# KiCad board Oblique Palette 0.5.4 PCB Main.kicad_pcb (continued)
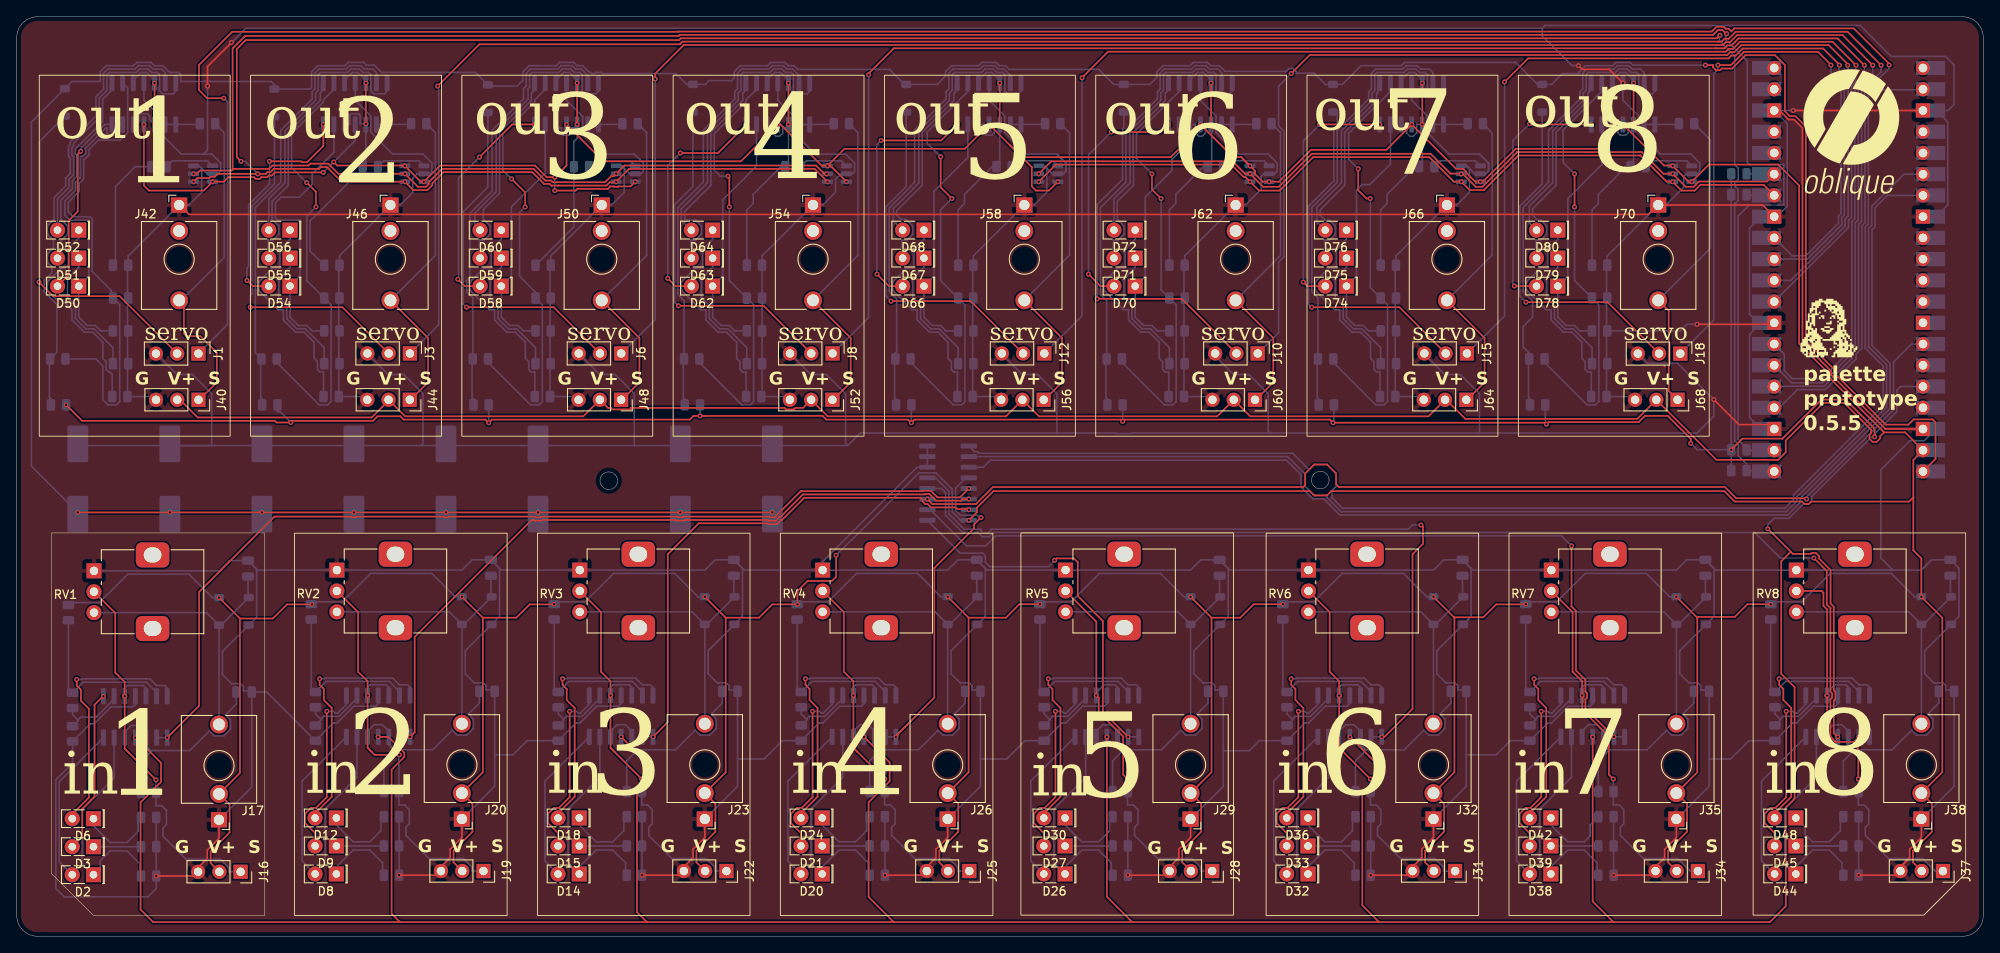
[diagram p0: board, top side]
## Library data of the parts
C1 C18-C24 = -: Description: Polarized capacitor, small symbol; ki_fp_filters: CP_*
C9-C16 = -: Description: Unpolarized capacitor; ki_fp_filters: C_*
D1 D53 D57 D61 D65 D69 D73 D77 = -: Description: 20V 1A Schottky Barrier Rectifier Diode, DO-41; ki_fp_filters: D*DO?41*
D2 D8 D14 D20 D26 D32 D38 D44 D50 D54 D58 D62 D66 D70 D74 D78 = -: Description: WHITE Rectangular LED, diffused; Sim.Pins: 1=K 2=A; ki_fp_filters: LED* LED_SMD:* LED_THT:*
D3 D9 D15 D21 D27 D33 D39 D45 D51 D55 D59 D63 D67 D71 D75 D79 = -: Description: YELLOW Rectangular LED, diffused; Sim.Pins: 1=K 2=A; ki_fp_filters: LED* LED_SMD:* LED_THT:*
D4 D5 D10 D11 D16 D17 D22 D23 D28 D29 D34 D35 D40 D41 D46 D47 = -: Description: Diode; Sim.Device: D; Sim.Pins: 1=K 2=A; ki_fp_filters: TO-???* *_Diode_* *SingleDiode* D_*
D6 D12 D18 D24 D30 D36 D42 D48 D52 D56 D60 D64 D68 D72 D76 D80 = -: Description: RED Rectangular LED, diffused; Sim.Pins: 1=K 2=A; ki_fp_filters: LED* LED_SMD:* LED_THT:*
J1 J3 J6 J8 J10 J12 J15 J16 J18 J19 J22 J25 J28 J31 J34 J37 J40 J44 J48 J52 J56 J60 J64 J68 = -: Description: Generic connector, single row, 01x03, script generated; ki_fp_filters: Connector*:*_1x??_*
J17 J20 J23 J26 J29 J32 J35 J38 J42 J46 J50 J54 J58 J62 J66 J70 = -: Description: Audio Jack, 2 Poles (Mono / TS), Switched T Pole (Normalling); ki_fp_filters: Jack*
R1-R48 R51-R56 R59-R64 R68-R75 R79-R86 R90-R97 R101-R108 R112-R119 R123-R130 R134-R141 R145-R168 = -: Description: Resistor; ki_fp_filters: R_*
RV1-RV8 = -: Description: Potentiometer with a mounting pin; ki_fp_filters: Potentiometer*
U1 = -: Datasheet: http://www.ti.com/lit/ds/symlink/cd4052b.pdf; Description: CMOS single 8-channel analog multiplexer demultiplexer, TSSOP-16/DIP-16/SOIC-16; LCSC PN: C21379; ki_fp_filters: TSSOP*4.4x5mm*P0.65mm* DIP*W7.62* SOIC*3.9x9.9mm*P1.27mm* SO*5.3x10.2mm*P1.27mm*
U3-U10 U14 U16 U18 U20 U22 U24 U26 = -: Datasheet: http://ww1.microchip.com/downloads/en/DeviceDoc/21733j.pdf; Description: 1MHz, Low-Power Op Amp, DIP-14/SOIC-14/TSSOP-14; LCSC PN: C116668; ki_fp_filters: SOIC*3.9x8.7mm*P1.27mm* DIP*W7.62mm* TSSOP*4.4x5mm*P0.65mm* SSOP*5.3x6.2mm*P0.65mm* MSOP*3x3mm*P0.5mm*
U11 U13 U19 U21 = -: Datasheet: http://ww1.microchip.com/downloads/en/DeviceDoc/22039d.pdf; Description: 12-bit Digital-to-Analog Converter, integrated EEPROM, I2C interface, SOT-23-6; LCSC PN: C144198; LCSC: C144198; ki_fp_filters: SOT?23*
U12 = -: Datasheet: http://ww1.microchip.com/downloads/en/DeviceDoc/21733j.pdf; Description: 1MHz, Low-Power Op Amp, DIP-14/SOIC-14/TSSOP-14; LCSC: C116668; ki_fp_filters: SOIC*3.9x8.7mm*P1.27mm* DIP*W7.62mm* TSSOP*4.4x5mm*P0.65mm* SSOP*5.3x6.2mm*P0.65mm* MSOP*3x3mm*P0.5mm*
U15 U17 U23 U25 = -: Datasheet: http://ww1.microchip.com/downloads/en/DeviceDoc/22039d.pdf; Description: 12-bit Digital-to-Analog Converter, integrated EEPROM, I2C interface, SOT-23-6; LCSC PN: C61423; LCSC: C144198; ki_fp_filters: SOT?23*

## Footprints (pads in the part's own frame, mm; a bottom-side part is the same pattern mirrored in y, then rotated)
C_0805_2012Metric
  rrect 1x1.45 smd: 1(-0.95,0) 2(0.95,0)
CP_Elec_10x10.5
  rrect 4.4x2.5 smd: 1(-4.2,0) 2(4.2,0)
D_SOD-123
  rrect 0.9x1.2 smd: 1(-1.65,0) 2(1.65,0)
Jack_3.5mm_QingPu_WQP-PJ398SM_Vertical_CircularHoles
  rect 1.93x1.83 hole 1.22: S(0,0)
  round 2.13 hole 1.43: T(0,-11.4)
  round 2.13 hole 1.42: TN(0,-3.1)
LED_Rectangular_W5.0mm_H2.0mm
  rect 1.8x1.8 hole 0.9: 1(0,0)
  round 1.8 hole 0.9: 2(2.54,0)
PinHeader_1x03_P2.54mm_Vertical
  rect 1.7x1.7 hole 1: 1(0,0)
  round 1.7 hole 1: 2(0,-2.54) 3(0,-5.08)
PinSocket_1x03_P2.54mm_Vertical
  rect 1.7x1.7 hole 1: 1(0,0)
  round 1.7 hole 1: 2(0,-2.54) 3(0,-5.08)
Potentiometer_Alps_RK09K_Single_Vertical
  rect 1.8x1.8 hole 1: 1(0,0)
  round 1.8 hole 1: 2(0,-2.5) 3(0,-5)
  rrect 4x3 hole 2.1x1.8: MP(7,1.9) MP(7,-6.9)
R_0805_2012Metric
  rrect 1.025x1.4 smd: 1(-0.912,0) 2(0.912,0)
RPi_Pico_SMD_TH
  oval 1.7x1.7 hole 1.02: 1(-8.89,24.13) 2(-8.89,21.59) 4(-8.89,16.51) 5(-8.89,13.97) 6(-8.89,11.43) 7(-8.89,8.89) 9(-8.89,3.81) 10(-8.89,1.27) 11(-8.89,-1.27) 12(-8.89,-3.81) 14(-8.89,-8.89) 15(-8.89,-11.43) 16(-8.89,-13.97) 17(-8.89,-16.51) 19(-8.89,-21.59) 20(-8.89,-24.13) 21(8.89,-24.13) 22(8.89,-21.59) 24(8.89,-16.51) 25(8.89,-13.97) 26(8.89,-11.43) 27(8.89,-8.89) 29(8.89,-3.81) 30(8.89,-1.27) 31(8.89,1.27) 32(8.89,3.81) 34(8.89,8.89) 35(8.89,11.43) 36(8.89,13.97) 37(8.89,16.51) 39(8.89,21.59) 40(8.89,24.13)
  rect 3.5x1.7 smd: 1(-8.89,24.13) 2(-8.89,21.59) 3(-8.89,19.05) 4(-8.89,16.51) 5(-8.89,13.97) 6(-8.89,11.43) 7(-8.89,8.89) 8(-8.89,6.35) 9(-8.89,3.81) 10(-8.89,1.27) 11(-8.89,-1.27) 12(-8.89,-3.81) 13(-8.89,-6.35) 14(-8.89,-8.89) 15(-8.89,-11.43) 16(-8.89,-13.97) 17(-8.89,-16.51) 18(-8.89,-19.05) 19(-8.89,-21.59) 20(-8.89,-24.13) 21(8.89,-24.13) 22(8.89,-21.59) 23(8.89,-19.05) 24(8.89,-16.51) 25(8.89,-13.97) 26(8.89,-11.43) 27(8.89,-8.89) 28(8.89,-6.35) 29(8.89,-3.81) 30(8.89,-1.27) 31(8.89,1.27) 32(8.89,3.81) 33(8.89,6.35) 34(8.89,8.89) 35(8.89,11.43) 36(8.89,13.97) 37(8.89,16.51) 38(8.89,19.05) 39(8.89,21.59) 40(8.89,24.13)
  rect 1.7x1.7 hole 1.02: 3(-8.89,19.05) 8(-8.89,6.35) 13(-8.89,-6.35) 18(-8.89,-19.05) 23(8.89,-19.05) 28(8.89,-6.35) 33(8.89,6.35) 38(8.89,19.05)
SOIC-14_3.9x8.7mm_P1.27mm
  rrect 1.95x0.6 smd: 1(-2.475,3.81) 2(-2.475,2.54) 3(-2.475,1.27) 4(-2.475,0) 5(-2.475,-1.27) 6(-2.475,-2.54) 7(-2.475,-3.81) 8(2.475,-3.81) 9(2.475,-2.54) 10(2.475,-1.27) 11(2.475,0) 12(2.475,1.27) 13(2.475,2.54) 14(2.475,3.81)
SOIC-16_3.9x9.9mm_P1.27mm
  rrect 1.95x0.6 smd: 1(-2.475,4.445) 2(-2.475,3.175) 3(-2.475,1.905) 4(-2.475,0.635) 5(-2.475,-0.635) 6(-2.475,-1.905) 7(-2.475,-3.175) 8(-2.475,-4.445) 9(2.475,-4.445) 10(2.475,-3.175) 11(2.475,-1.905) 12(2.475,-0.635) 13(2.475,0.635) 14(2.475,1.905) 15(2.475,3.175) 16(2.475,4.445)
SOT-23-6
  rrect 1.325x0.6 smd: 1(-1.137,0.95) 2(-1.137,0) 3(-1.137,-0.95) 4(1.137,-0.95) 5(1.137,0) 6(1.137,0.95)

## Nets
+3.3V: R1.2 R2.1 R9.1 R10.2 R71.1 R82.1 R93.1 R104.1 R115.1 R126.1 R137.1 R148.1 U2.36 U3.4 U4.4 U5.4 U6.4 U7.4 U8.4 U9.4 U10.4
GNDREF: C1.2 C9.2 C10.2 C11.2 C12.2 C13.2 C14.2 C15.2 C16.2 C18.2 C19.2 C20.2 C21.2 C22.2 C23.2 C24.2 D5.2 D11.2 D17.2 D23.2 D29.2 D35.2 D41.2 D47.2 J1.3 J3.3 J6.3 J8.3 J10.3 J12.3 J15.3 J16.3 J17.S J18.3 J19.3 J20.S J22.3 J23.S J25.3 J26.S J28.3 J29.S J31.3 J32.S J34.3 J35.S J37.3 J38.S J40.3 J42.S J44.3 J46.S J48.3 J50.S J52.3 J54.S J56.3 J58.S J60.3 J62.S J64.3 J66.S J68.3 J70.S R3.2 R4.1 R5.2 R7.2 R11.2 R12.1 R13.2 R15.2 R19.2 R20.1 R21.2 R23.2 R27.2 R28.1 R29.2 R31.2 R35.2 R36.1 R37.2 R39.2 R43.2 R44.1 R45.2 R47.2 R51.2 R52.1 R53.2 R55.2 R59.2 R60.1 R61.2 R63.2 R69.2 R73.2 R74.2 R75.2 R80.2 R84.2 R85.2 R86.2 R91.2 R95.2 R96.2 R97.2 R102.2 R106.2 R107.2 R108.2 R112.1 R113.2 R116.1 R117.2 R118.2 R119.2 R123.1 R124.2 R127.1 R128.2 R129.2 R130.2 R134.1 R135.2 R138.1 R139.2 R140.2 R141.2 R145.1 R146.2 R149.1 R150.2 R151.2 R152.2 R160.2 R161.2 R162.2 R163.2 R164.2 R165.2 R166.2 R167.2 RV1.1 RV2.1 RV3.1 RV4.1 RV5.1 RV6.1 RV7.1 RV8.1 U1.6 U1.7 U1.8 U2.3 U2.8 U2.13 U2.18 U2.23 U2.28 U2.38 U3.11 U4.11 U5.11 U6.11 U7.11 U8.11 U9.11 U10.11 U11.2 U11.6 U12.11 U13.2 U14.11 U15.2 U15.6 U16.11 U17.2 U18.11 U19.2 U19.6 U20.11 U21.2 U22.11 U23.2 U23.6 U24.11 U25.2 U26.11
VCC: D4.1 D10.1 D16.1 D22.1 D28.1 D34.1 D40.1 D46.1 J16.2 J17.TN J19.2 J20.TN J22.2 J23.TN J25.2 J26.TN J28.2 J29.TN J31.2 J32.TN J34.2 J35.TN J37.2 J38.TN J40.2 J44.2 J48.2 J52.2 J56.2 J60.2 J64.2 J68.2 R8.2 R16.2 R24.2 R32.2 R40.2 R48.2 R56.2 R64.2 U1.16 U2.39 U11.3 U12.4 U13.3 U13.6 U14.4 U15.3 U16.4 U17.3 U17.6 U18.4 U19.3 U20.4 U21.3 U21.6 U22.4 U23.3 U24.4 U25.3 U25.6 U26.4
/Input 1/ANALOG_CHANNEL: U1.13 U3.1 U3.2
/Input 2/ANALOG_CHANNEL: U1.14 U4.1 U4.2
/Input 3/ANALOG_CHANNEL: U1.15 U5.1 U5.2
/Input 4/ANALOG_CHANNEL: U1.12 U6.1 U6.2
/Input 5/ANALOG_CHANNEL: U1.1 U7.1 U7.2
/Input 6/ANALOG_CHANNEL: U1.5 U8.1 U8.2
/Input 7/ANALOG_CHANNEL: U1.2 U9.1 U9.2
/Input 8/ANALOG_CHANNEL: U1.4 U10.1 U10.2
SCL_0: R10.1 U2.2 U11.5 U13.5 U15.5 U17.5
SCL_1: R1.1 U2.15 U19.5 U21.5 U23.5 U25.5
SDA_0: R9.2 U2.1 U11.4 U13.4 U15.4 U17.4
SDA_1: R2.2 U2.14 U19.4 U21.4 U23.4 U25.4
SERVO_1: J1.1 U2.4
SERVO_2: J3.1 U2.5
SERVO_3: J6.1 U2.6
SERVO_4: J8.1 U2.7
SERVO_5: J12.1 U2.9
SERVO_6: J10.1 U2.10
SERVO_7: J15.1 U2.11
SERVO_8: J18.1 U2.12
Vser: C1.1 C18.1 C19.1 C20.1 C21.1 C22.1 C23.1 C24.1 D1.2 D53.2 D57.2 D61.2 D65.2 D69.2 D73.2 D77.2 U2.40
Net-(D1-K): D1.1 J1.2
Net-(D2-A): D2.2 U3.7
Net-(D2-K): D2.1 R3.1 U3.6
Net-(D3-A): D3.2 U3.8
Net-(D3-K): D3.1 R5.1
Net-(D4-A): C9.1 D4.2 D5.1 J17.T RV1.3
Net-(D6-A): D6.2 U3.14
Net-(D6-K): D6.1 R7.1
Net-(D8-A): D8.2 U4.7
Net-(D8-K): D8.1 R11.1 U4.6
Net-(D9-A): D9.2 U4.8
Net-(D9-K): D9.1 R13.1
Net-(D10-A): C10.1 D10.2 D11.1 J20.T RV2.3
Net-(D12-A): D12.2 U4.14
Net-(D12-K): D12.1 R15.1
Net-(D14-A): D14.2 U5.7
Net-(D14-K): D14.1 R19.1 U5.6
Net-(D15-A): D15.2 U5.8
Net-(D15-K): D15.1 R21.1
Net-(D16-A): C11.1 D16.2 D17.1 J23.T RV3.3
Net-(D18-A): D18.2 U5.14
Net-(D18-K): D18.1 R23.1
Net-(D20-A): D20.2 U6.7
Net-(D20-K): D20.1 R27.1 U6.6
Net-(D21-A): D21.2 U6.8
Net-(D21-K): D21.1 R29.1
Net-(D22-A): C12.1 D22.2 D23.1 J26.T RV4.3
Net-(D24-A): D24.2 U6.14
Net-(D24-K): D24.1 R31.1
Net-(D26-A): D26.2 U7.7
Net-(D26-K): D26.1 R35.1 U7.6
Net-(D27-A): D27.2 U7.8
Net-(D27-K): D27.1 R37.1
Net-(D28-A): C13.1 D28.2 D29.1 J29.T RV5.3
Net-(D30-A): D30.2 U7.14
Net-(D30-K): D30.1 R39.1
Net-(D32-A): D32.2 U8.7
Net-(D32-K): D32.1 R43.1 U8.6
Net-(D33-A): D33.2 U8.8
Net-(D33-K): D33.1 R45.1
Net-(D34-A): C14.1 D34.2 D35.1 J32.T RV6.3
Net-(D36-A): D36.2 U8.14
Net-(D36-K): D36.1 R47.1
Net-(D38-A): D38.2 U9.7
Net-(D38-K): D38.1 R51.1 U9.6
Net-(D39-A): D39.2 U9.8
Net-(D39-K): D39.1 R53.1
Net-(D40-A): C15.1 D40.2 D41.1 J35.T RV7.3
Net-(D42-A): D42.2 U9.14
Net-(D42-K): D42.1 R55.1
Net-(D44-A): D44.2 U10.7
Net-(D44-K): D44.1 R59.1 U10.6
Net-(D45-A): D45.2 U10.8
Net-(D45-K): D45.1 R61.1
Net-(D46-A): C16.1 D46.2 D47.1 J38.T RV8.3
Net-(D48-A): D48.2 U10.14
Net-(D48-K): D48.1 R63.1
Net-(D50-A): D50.2 U12.7
Net-(D50-K): D50.1 R73.1 U12.6
Net-(D51-A): D51.2 U12.8
Net-(D51-K): D51.1 R74.1
Net-(D52-A): D52.2 U12.14
Net-(D52-K): D52.1 R75.1
Net-(D53-K): D53.1 J3.2
Net-(D54-A): D54.2 U14.7
Net-(D54-K): D54.1 R84.1 U14.6
Net-(D55-A): D55.2 U14.8
Net-(D55-K): D55.1 R85.1
Net-(D56-A): D56.2 U14.14
Net-(D56-K): D56.1 R86.1
Net-(D57-K): D57.1 J6.2
Net-(D58-A): D58.2 U16.7
Net-(D58-K): D58.1 R95.1 U16.6
Net-(D59-A): D59.2 U16.8
Net-(D59-K): D59.1 R96.1
Net-(D60-A): D60.2 U16.14
Net-(D60-K): D60.1 R97.1
Net-(D61-K): D61.1 J8.2
Net-(D62-A): D62.2 U18.7
Net-(D62-K): D62.1 R106.1 U18.6
Net-(D63-A): D63.2 U18.8
Net-(D63-K): D63.1 R107.1
Net-(D64-A): D64.2 U18.14
Net-(D64-K): D64.1 R108.1
Net-(D65-K): D65.1 J10.2
Net-(D66-A): D66.2 U20.7
Net-(D66-K): D66.1 R117.1 U20.6
Net-(D67-A): D67.2 U20.8
Net-(D67-K): D67.1 R118.1
Net-(D68-A): D68.2 U20.14
Net-(D68-K): D68.1 R119.1
Net-(D69-K): D69.1 J12.2
Net-(D70-A): D70.2 U22.7
Net-(D70-K): D70.1 R128.1 U22.6
Net-(D71-A): D71.2 U22.8
Net-(D71-K): D71.1 R129.1
Net-(D72-A): D72.2 U22.14
Net-(D72-K): D72.1 R130.1
Net-(D73-K): D73.1 J15.2
Net-(D74-A): D74.2 U24.7
Net-(D74-K): D74.1 R139.1 U24.6
Net-(D75-A): D75.2 U24.8
Net-(D75-K): D75.1 R140.1
Net-(D76-A): D76.2 U24.14
Net-(D76-K): D76.1 R141.1
Net-(D77-K): D77.1 J18.2
Net-(D78-A): D78.2 U26.7
Net-(D78-K): D78.1 R150.1 U26.6
Net-(D79-A): D79.2 U26.8
Net-(D79-K): D79.1 R151.1
Net-(D80-A): D80.2 U26.14
Net-(D80-K): D80.1 R152.1
Net-(J16-Pin_1): J16.1 R68.1 RV1.2 U3.10 U3.12
Net-(J19-Pin_1): J19.1 R72.1 RV2.2 U4.10 U4.12
Net-(J22-Pin_1): J22.1 R79.1 RV3.2 U5.10 U5.12
Net-(J25-Pin_1): J25.1 R83.1 RV4.2 U6.10 U6.12
Net-(J28-Pin_1): J28.1 R90.1 RV5.2 U7.10 U7.12
Net-(J31-Pin_1): J31.1 R94.1 RV6.2 U8.10 U8.12
Net-(J34-Pin_1): J34.1 R101.1 RV7.2 U9.10 U9.12
Net-(J37-Pin_1): J37.1 R105.1 RV8.2 U10.10 U10.12
Net-(J40-Pin_1): J40.1 J42.T R17.1
Net-(J44-Pin_1): J44.1 J46.T R18.1
Net-(J48-Pin_1): J48.1 J50.T R25.1
Net-(J52-Pin_1): J52.1 J54.T R26.1
Net-(J56-Pin_1): J56.1 J58.T R33.1
Net-(J60-Pin_1): J60.1 J62.T R34.1
Net-(J64-Pin_1): J64.1 J66.T R41.1
Net-(J68-Pin_1): J68.1 J70.T R42.1
Net-(U1-A): U1.11 U2.27
Net-(U1-B): U1.10 U2.26
Net-(U1-C): U1.9 U2.22
Net-(U1-X): U1.3 U2.34
Net-(U3A-+): R68.2 R160.1 U3.3 U3.5
Net-(U3C--): R4.2 R6.1 U3.9
Net-(U3D--): R6.2 R8.1 U3.13
Net-(U4A-+): R72.2 R161.1 U4.3 U4.5
Net-(U4C--): R12.2 R14.1 U4.9
Net-(U4D--): R14.2 R16.1 U4.13
Net-(U5A-+): R79.2 R162.1 U5.3 U5.5
Net-(U5C--): R20.2 R22.1 U5.9
Net-(U5D--): R22.2 R24.1 U5.13
Net-(U6A-+): R83.2 R163.1 U6.3 U6.5
Net-(U6C--): R28.2 R30.1 U6.9
Net-(U6D--): R30.2 R32.1 U6.13
Net-(U7A-+): R90.2 R164.1 U7.3 U7.5
Net-(U7C--): R36.2 R38.1 U7.9
Net-(U7D--): R38.2 R40.1 U7.13
Net-(U8A-+): R94.2 R165.1 U8.3 U8.5
Net-(U8C--): R44.2 R46.1 U8.9
Net-(U8D--): R46.2 R48.1 U8.13
Net-(U9A-+): R101.2 R166.1 U9.3 U9.5
Net-(U9C--): R52.2 R54.1 U9.9
Net-(U9D--): R54.2 R56.1 U9.13
Net-(U10A-+): R105.2 R167.1 U10.3 U10.5
Net-(U10C--): R60.2 R62.1 U10.9
Net-(U10D--): R62.2 R64.1 U10.13
Net-(U11-VOUT): R153.2 U11.1
Net-(U12A-+): R112.2 R153.1 U12.3 U12.5 U12.10 U12.12
Net-(U12A--): R17.2 U12.1 U12.2
Net-(U12C--): R69.1 R70.2 U12.9
Net-(U12D--): R70.1 R71.2 U12.13
Net-(U13-VOUT): R154.2 U13.1
Net-(U14A-+): R116.2 R154.1 U14.3 U14.5 U14.10 U14.12
Net-(U14A--): R18.2 U14.1 U14.2
Net-(U14C--): R80.1 R81.2 U14.9
Net-(U14D--): R81.1 R82.2 U14.13
Net-(U15-VOUT): R155.2 U15.1
Net-(U16A-+): R123.2 R155.1 U16.3 U16.5 U16.10 U16.12
Net-(U16A--): R25.2 U16.1 U16.2
Net-(U16C--): R91.1 R92.2 U16.9
Net-(U16D--): R92.1 R93.2 U16.13
Net-(U17-VOUT): R156.2 U17.1
Net-(U18A-+): R127.2 R156.1 U18.3 U18.5 U18.10 U18.12
Net-(U18A--): R26.2 U18.1 U18.2
Net-(U18C--): R102.1 R103.2 U18.9
Net-(U18D--): R103.1 R104.2 U18.13
Net-(U19-VOUT): R157.2 U19.1
Net-(U20A-+): R134.2 R157.1 U20.3 U20.5 U20.10 U20.12
Net-(U20A--): R33.2 U20.1 U20.2
Net-(U20C--): R113.1 R114.2 U20.9
Net-(U20D--): R114.1 R115.2 U20.13
Net-(U21-VOUT): R158.2 U21.1
Net-(U22A-+): R138.2 R158.1 U22.3 U22.5 U22.10 U22.12
Net-(U22A--): R34.2 U22.1 U22.2
Net-(U22C--): R124.1 R125.2 U22.9
Net-(U22D--): R125.1 R126.2 U22.13
Net-(U23-VOUT): R159.2 U23.1
Net-(U24A-+): R145.2 R159.1 U24.3 U24.5 U24.10 U24.12
Net-(U24A--): R41.2 U24.1 U24.2
Net-(U24C--): R135.1 R136.2 U24.9
Net-(U24D--): R136.1 R137.2 U24.13
Net-(U25-VOUT): R168.2 U25.1
Net-(U26A-+): R149.2 R168.1 U26.3 U26.5 U26.10 U26.12
Net-(U26A--): R42.2 U26.1 U26.2
Net-(U26C--): R146.1 R147.2 U26.9
Net-(U26D--): R147.1 R148.2 U26.13

Pads without a net: J42 TN; J46 TN; J50 TN; J54 TN; J58 TN; J62 TN; J66 TN; J70 TN; RV1 MP; RV2 MP; RV3 MP; RV4 MP; RV5 MP; RV6 MP; RV7 MP; RV8 MP; U2 16 17 19 20 21 24 25 29 30 31 32 33 35 37

## Via types
v1: diameter 0.6, hole 0.3, Top to Bottom, 230 vias

## Routing (per net, layer and track width the routed paths; a pad name or vN(x,y) marks a point on that pad's centre or on a via; arc(x,y) is an arc through that point)
+3.3V: length 747.6
  Top w0.2: 75.3,1.7 74.12,2.88 74.12,17.39 75.29,18.56 75.29,20.79 v1(72.22,23.86) ; 75.3,1.7 104.8,1.7 ; 75.3,1.7 45.8,1.7 ; 190.8,1.7 209.5,1.7 211.4,3.61 211.4,15.4 212.46,16.46 212.46,29.8 210.85,31.41 210.85,44.85 212,46 ; 190.8,1.7 162.8,1.7 ; 190.8,1.7 188.33,4.17 v1(188.33,23.86) ; 133.3,1.7 104.8,1.7 ; 133.3,1.7 162.8,1.7 ; 133.3,1.7 130.28,4.72 v1(130.28,23.86) ; 104.8,1.7 101.8,4.7 101.8,16.04 104.32,18.56 104.32,20.79 v1(101.25,23.86) ; 45.8,1.7 16.3,1.7 14.8,3.2 14.8,16.02 17.24,18.47 17.24,20.76 14.23,23.77 v1(14.17,23.77) ; 45.8,1.7 44.8,2.7 44.8,19.94 46.32,21.46 46.32,21.95 44.41,23.86 v1(43.2,23.86) ; 162.8,1.7 160.8,3.7 160.8,16.98 162.37,18.56 162.37,20.79 v1(159.3,23.86) ; v1(5.91,63.56) 7.81,61.66 30.84,61.66 31.04,61.46 v1(32.75,61.46) 32.95,61.66 42.58,61.66 43.12,62.2 45.84,62.2 46.24,61.8 56,61.8 56.37,61.43 v1(56.41,61.43) 56.78,61.8 80.43,61.8 80.88,62.25 82.25,62.25 ; v1(222.01,59.75) 222.01,60.74 218.55,64.2 215.67,64.2 211,59.53 206.21,59.53 v1(204.88,58.2) ; v1(217.6,23.86) 217.14,24.32 217.14,28.19 217.34,28.39 217.34,29.22 217.14,29.42 217.14,39.07 217.15,39.08 217.15,39.42 216.75,39.82 216.75,43.82 215.39,45.17 215.39,45.46 215,45.85 214.5,45.85 214.4,45.75 212.25,45.75 212,46 ; 212,46 v1(209.25,48.75) ; v1(81.66,62.25) 96.29,62.25 96.74,61.8 106.5,61.8 106.87,61.43 v1(106.91,61.43) 107.28,61.8 131.96,61.8 v1(132.16,61.6) 132.36,61.8 156.93,61.8 v1(157.3,61.43) 182.62,61.43 v1(182.8,61.25) 183.05,61.5 193.82,61.5 194.57,62.25 197.29,62.25 200.04,59.5 v1(200.04,58.96)
  Bottom w0.2: v1(81.66,62.25) R104.1 ; v1(204.88,58.2) R2.1 R1.2 ; v1(204.88,58.2) R9.1 ; v1(204.88,58.2) 200.8,58.2 v1(200.04,58.96) ; v1(157.3,61.43) 157.41,61.54 R137.1 ; v1(106.91,61.43) R115.1 ; v1(182.8,61.25) 182.66,61.39 182.66,63.56 ; U2.36 225.11,65.76 224.68,65.34 224.68,62.77 222.01,60.1 v1(222.01,59.75) 222.08,59.68 221.59,59.68 214.48,52.57 214.49,52.56 214.49,52.25 ; R82.1 31.16,62.75 31.46,62.75 v1(32.75,61.46) ; 214.49,52.25 214.49,52.06 214.14,51.71 213.5,51.71 211.79,50 210,50 209.25,49.25 v1(209.25,48.75) ; 214.49,52.25 214.49,52.58 ; v1(56.41,61.43) R93.1 ; v1(132.16,61.6) 132.16,63.56
GNDREF: length 2241.5
  Top w0.2: J20.S 53.2,11.81 51.8,10.4 51.8,9.4 50.7,8.31 ; 166.8,8.31 167.9,9.4 167.9,10.4 169.3,11.81 J32.S ; 196.11,87.47 194.99,86.36 20.57,86.36 19.46,87.47 ; 137.28,7.31 v1(132.78,7.31) ; v1(200.8,73.2) 209.84,73.2 ; J26.S 111.25,11.81 109.85,10.4 109.85,9.4 108.75,8.31 ; J29.S 140.28,11.81 138.87,10.4 138.87,9.4 137.78,8.31 ; 50.2,7.31 v1(45.7,7.31) ; 166.3,7.31 v1(161.8,7.31) ; J38.S 227.6,11.81 226.2,10.4 226.2,9.4 225.9,9.1 ; J70.S 208.63,87.47 U2.13 ; v1(212.3,98.78) U2.23 ; J23.S 82.22,11.81 80.82,10.4 80.82,9.4 79.72,8.31 ; 21.17,7.22 v1(16.67,7.22) ; U2.38 223.32,60.68 216.8,67.2 216.8,67.64 213.4,71.04 213.4,96.7 212.4,97.7 ; v1(25.66,106.92) 22.8,104.05 v1(22.8,101.7) ; 108.25,7.31 v1(103.75,7.31) ; 224.6,7.31 v1(220.1,7.31) ; 225.9,9.1 225.1,8.31 225.9,9.1 ; 195.83,8.31 196.93,9.4 196.93,10.4 198.33,11.81 J35.S ; v1(186.62,104.15) 187.07,103.7 190.3,103.7 v1(191.95,102.05) ; 209.5,61.2 205.8,61.2 v1(202.8,64.2) ; 195.33,7.31 v1(190.83,7.31) ; 210.72,98.78 210.8,98.7 210.8,98.64 211.73,97.7 212.3,97.7 ; 21.67,8.22 22.77,9.31 22.77,10.31 24.17,11.72 J17.S ; 196.95,68.2 196.9,68.15 ; 79.22,7.31 v1(74.72,7.31)
  Bottom w0.2: 182.3,108.61 182.3,107.7 185.85,104.15 v1(186.62,104.15) ; 182.3,108.61 27.36,108.61 v1(25.66,106.92) ; 182.3,108.61 182.64,108.95 220.3,108.95 224,105.25 230.5,105.25 231.5,104.25 231.5,99.5 230.78,98.78 U2.23 ; 114.23,80.19 R119.2 117.58,64.56 ; 175.57,91.21 175.87,91.51 175.87,92.5 174.81,93.56 ; 175.57,91.21 175.91,91.55 175.91,92.47 174.81,93.56 ; 175.57,91.21 U23.2 174.24,91.21 173.29,92.16 ; 117.63,69.72 120.15,67.2 122,67.2 124.3,64.91 124.3,60.2 ; 174.81,93.56 171.17,93.56 168.57,96.17 168.57,98.13 166.7,100 U24.11 ; R138.1 139.57,81.39 J62.S 146.82,87.47 148.69,89.34 148.69,90.91 148.99,91.21 150.32,91.21 150.62,91.51 150.62,92.5 149.56,93.56 145.92,93.56 143.32,96.17 143.32,98.13 141.45,100 U22.11 ; v1(132.78,7.31) 132.78,13.64 ; 173.29,92.16 173.6,91.86 173.6,89 172.07,87.47 J66.S 164.82,81.39 R145.1 ; 173.29,92.16 U23.6 ; R149.1 190.07,81.39 J70.S 197.07,87.47 199.19,89.6 199.19,90.91 199.49,91.21 200.82,91.21 201.12,91.51 201.12,92.5 200.06,93.56 196.42,93.56 193.82,96.17 193.82,98.13 191.95,100 v1(191.95,102.05) ; U16.11 65.7,100 67.64,98.06 67.64,96.1 67.9,95.84 68.58,95.84 68.8,96.06 68.8,94.94 70.17,93.56 73.81,93.56 74.87,92.5 74.87,91.51 74.57,91.21 U15.2 73.24,91.21 72.29,92.16 ; 41.88,69.72 44.4,67.2 46.25,67.2 48.55,64.91 48.55,58.95 48.3,58.7 ; 86.14,21.2 86.14,17.94 J23.S ; 86.14,21.2 R162.2 ; 86.14,21.2 89.3,21.2 91.49,23.39 R28.1 95.86,25.51 96.32,25.51 98.35,27.53 100.95,27.53 101.25,27.83 U6.11 ; 67.13,69.72 69.65,67.2 71.5,67.2 73.8,64.91 73.8,58.7 ; 86.22,29.46 85.12,29.46 85.12,29.99 84.81,30.31 83.81,30.31 83.77,30.26 82.62,31.4 82.62,34.16 D17.2 86.72,38.25 86.72,44 C11.2 ; 125.07,91.21 125.37,91.51 125.37,92.5 124.31,93.56 ; 125.07,91.21 125.41,91.55 125.41,92.47 124.31,93.56 ; 125.07,91.21 U19.2 123.74,91.21 122.79,92.16 ; 28.17,29.37 27.07,29.37 27.07,29.9 26.76,30.22 25.76,30.22 25.72,30.17 24.57,31.31 24.57,34.07 D5.2 28.67,38.16 28.67,43.91 C9.2 ; RV8.1 203.02,43.81 C15.2 ; RV8.1 227.6,43.81 227.9,44.1 ; RV8.1 224.2,43.81 222.75,45.26 222.75,55.8 226.24,59.29 227.97,59.29 229.36,60.68 ; 208.46,86.08 207.07,84.69 207.07,74.43 208.12,73.38 ; C15.2 199.55,45.03 198.33,43.81 RV7.1 174,43.81 C14.2 ; C15.2 202.82,44 202.82,38.25 D41.2 198.73,34.16 198.73,31.4 199.87,30.26 199.92,30.31 200.91,30.31 201.23,29.99 201.23,29.46 202.33,29.46 ; 202.24,21.2 204.8,21.2 206.99,23.39 R60.1 212.22,25.51 212.68,25.51 214.7,27.53 217.3,27.53 217.6,27.83 U10.11 ; 202.24,21.2 R166.2 ; 202.24,21.2 202.24,17.94 J35.S ; U14.11 40.45,100 42.32,98.13 42.32,96.17 44.92,93.56 48.56,93.56 49.62,92.5 49.62,91.51 49.32,91.21 U13.2 47.86,91.21 47.35,90.7 47.35,89 45.82,87.47 J46.S 38.57,81.39 R116.1 ; U20.11 116.2,100 118.07,98.13 118.07,96.17 120.67,93.56 124.31,93.56 ; 173.3,29.46 172.2,29.46 172.2,29.99 171.89,30.31 170.89,30.31 170.85,30.26 169.7,31.4 169.7,34.16 D35.2 173.8,38.25 173.8,44 C14.2 ; 228.2,44.41 228.02,44.23 ; 228.02,44.23 228.83,45.03 C16.2 232.1,44 232.1,38.25 D47.2 228,34.16 228,31.4 229.15,30.26 229.19,30.31 230.19,30.31 230.5,29.99 230.5,29.46 231.6,29.46 ; 228.02,44.23 227.9,44.1 ; 173.21,21.7 R165.2 ; 173.21,21.7 173.21,17.94 J32.S ; 173.21,21.7 176.8,21.7 178.49,23.39 R52.1 182.94,25.51 183.4,25.51 185.42,27.53 188.03,27.53 188.33,27.83 U9.11 ; v1(22.8,101.7) 22.8,94.06 22.3,93.56 ; 228.3,44.5 227.9,44.1 ; 144.28,29.46 143.18,29.46 143.18,29.99 142.86,30.31 141.87,30.31 141.82,30.26 140.68,31.4 140.68,34.16 D29.2 144.77,38.25 144.77,44 C13.2 ; U3.11 14.17,27.74 13.87,27.44 11.27,27.44 9.24,25.42 8.78,25.42 R4.1 6.67,20.72 4.67,18.72 4.67,5.72 5.67,4.72 15.67,4.72 16.67,5.72 v1(16.67,7.22) 16.67,13.55 ; 168.08,64.56 R141.2 164.73,80.19 ; 174.8,60.2 182.36,60.2 182.36,60.2 200.79,60.2 202.8,62.2 v1(202.8,64.2) 198.45,68.55 194.87,68.55 193.72,69.7 ; 174.8,60.2 174.8,64.91 172.5,67.2 170.65,67.2 168.13,69.72 ; 174.8,60.2 149.8,60.2 ; 115.25,29.46 114.15,29.46 114.15,29.99 113.83,30.31 112.84,30.31 112.79,30.26 111.65,31.4 111.65,34.16 D23.2 115.75,38.25 115.75,44 C12.2 ; 122.79,92.16 U19.6 ; 122.79,92.16 123.1,91.86 123.1,89 121.57,87.47 J58.S 114.32,81.39 R134.1 ; 99.3,58.7 99.05,58.95 99.05,64.91 96.75,67.2 94.9,67.2 92.38,69.72 ; 99.3,58.7 100.8,60.2 124.3,60.2 ; 99.3,58.7 73.8,58.7 ; J29.S 144.19,17.94 144.19,22.2 ; 22.3,93.56 23.31,93.56 24.37,92.5 24.37,91.51 24.07,91.21 U11.2 22.74,91.21 21.79,92.16 ; 22.3,93.56 19.67,93.56 17.07,96.17 17.07,98.13 15.2,100 U12.11 ; v1(45.7,7.31) 45.7,13.64 ; C9.2 25.4,44.94 24.17,43.72 RV1.1 ; C9.2 28.78,43.81 RV2.1 53.2,43.81 54.42,45.03 C10.2 ; C13.2 141.5,45.03 140.28,43.81 RV5.1 115.95,43.81 C12.2 ; C13.2 144.97,43.81 RV6.1 169.3,43.81 170.53,45.03 C14.2 ; 16.63,69.72 19.15,67.2 21,67.2 23.3,64.91 23.3,58.7 7.3,58.7 ; 48.3,58.7 18.3,58.7 ; 48.3,58.7 73.8,58.7 ; v1(220.1,7.31) 220.1,13.64 ; 208.46,60.68 207.07,62.07 207.07,71.99 208.46,73.38 ; C11.2 83.45,45.03 82.22,43.81 RV3.1 57.89,43.81 C10.2 ; C11.2 86.92,43.81 RV4.1 ; v1(161.8,7.31) 161.8,13.64 ; 72.29,92.16 U15.6 ; 72.29,92.16 72.6,91.86 72.6,89 71.07,87.47 J50.S 63.82,81.39 R123.1 ; v1(190.83,7.31) 190.83,13.64 ; 89.07,64.65 R127.1 89.07,81.39 J54.S 96.32,87.47 97.85,89 97.85,90.56 98.49,91.21 U17.2 99.82,91.21 100.12,91.51 100.12,92.5 99.06,93.56 95.42,93.56 92.82,96.17 92.82,98.13 90.95,100 U18.11 ; R150.2 198.8,72.42 199.58,73.2 v1(200.8,73.2) ; 124.3,60.2 131.36,60.2 131.42,60.14 133.17,60.14 133.23,60.2 149.8,60.2 ; 115.16,21.2 R163.2 ; 115.16,21.2 118.3,21.2 120.49,23.39 R36.1 124.89,25.51 125.35,25.51 127.37,27.53 129.97,27.53 130.28,27.83 U7.11 ; 115.16,21.2 115.16,17.94 J26.S ; J17.S 28.08,17.85 R160.2 29.88,29.22 R12.1 37.81,25.51 38.27,25.51 40.29,27.53 42.9,27.53 43.2,27.83 U4.11 ; 41.83,64.56 R86.2 38.48,80.19 ; RV4.1 111.25,43.81 112.47,45.03 C12.2 ; RV4.1 96.31,44.82 107.6,56.11 U1.6 U1.8 ; v1(212.3,98.78) U2.18 211.57,97.23 211.57,87.31 210.35,86.08 ; 149.8,60.2 149.55,60.45 149.55,64.91 147.25,67.2 145.4,67.2 142.88,69.72 ; 144.19,22.2 R164.2 ; 144.19,22.2 147.3,22.2 148.49,23.39 R44.1 153.91,25.51 154.37,25.51 156.4,27.53 159,27.53 159.3,27.83 U8.11 ; R108.2 92.01,64.56 ; 193.33,64.56 R152.2 189.98,80.19 ; 57.11,21.7 57.11,17.94 J20.S ; 57.11,21.7 59.3,21.7 60.99,23.39 R20.1 66.84,25.51 67.3,25.51 69.32,27.53 71.92,27.53 72.22,27.83 U5.11 ; 57.11,21.7 R161.2 ; 63.73,80.19 R97.2 67.08,64.56 ; J38.S 231.52,17.94 R167.2 ; 21.79,92.16 U11.6 ; 21.79,92.16 22.1,91.86 22.1,89 20.57,87.47 J42.S 13.32,81.39 R112.1 ; C10.2 57.69,44 57.69,38.25 D11.2 53.6,34.16 53.6,31.4 54.74,30.26 54.79,30.31 55.78,30.31 56.1,29.99 56.1,29.46 57.2,29.46 ; 139.48,80.19 R130.2 142.83,64.56 ; 229.36,86.08 230.75,87.47 230.75,97.39 229.36,98.78 ; v1(74.72,7.31) 74.72,13.64 ; v1(103.75,7.31) 103.75,13.64 ; 13.23,80.19 R75.2 16.58,64.56
VCC: length 1228.4
  Top w0.2: J16.2 23.17,8.76 23.17,10.15 25.44,12.41 25.44,15.77 J17.TN 26.67,19.54 26.67,38.02 ; J44.2 46.41,62.2 67.71,62.2 J48.2 70.66,63.2 71.07,63.2 71.07,63.03 73.37,63.03 73.37,63.2 91.74,63.2 91.92,63.03 92.87,63.03 93.04,63.2 93.96,63.2 J52.2 96.91,62.2 118.21,62.2 J56.2 122.16,62.2 143.46,62.2 J60.2 147.41,62.2 168.71,62.2 J64.2 ; 146.34,93.2 145.36,93.2 v1(141.45,97.11) 141.45,96.76 137.89,93.2 120.11,93.2 118.7,94.61 ; 146.34,93.2 147.63,91.91 ; 146.34,93.2 v1(147.38,92.16) 147.98,91.56 147.98,91.18 ; v1(35.3,39.7) 32.3,39.7 30.61,38.02 26.67,38.02 ; v1(37.88,92.62) 38.3,92.2 46.3,92.2 ; 171.75,38.16 v1(169.3,40.61) ; 171.75,38.16 175.25,38.16 176.8,39.7 180.31,39.7 v1(180.33,39.72) ; 171.75,38.16 171.8,38.11 171.8,19.63 J32.TN 170.57,15.86 170.57,12.5 168.3,10.24 168.3,8.85 J31.2 ; 200.83,38.11 200.83,19.63 J35.TN 199.59,15.86 199.59,12.5 197.33,10.24 197.33,8.85 J34.2 ; 200.83,38.11 200.92,38.2 205.3,38.2 206.81,39.72 v1(209.6,39.72) ; 200.83,38.11 v1(198.33,40.61) ; 118.7,94.61 v1(116.2,97.11) 113.29,94.2 98.92,94.2 v1(96.88,92.16) ; 118.7,94.61 121.3,92.01 121.3,89.7 121.8,89.2 123.35,89.2 v1(124.41,90.26) ; 147.98,91.46 147.98,91.18 ; 147.98,91.18 148.9,90.26 v1(149.66,90.26) 150.84,90.26 154.65,94.08 163.66,94.08 v1(166.7,97.11) 172.01,91.8 172.87,91.8 173.22,91.45 173.22,91.35 174.3,90.26 v1(174.91,90.26) 175.19,90.26 179.13,94.2 189.04,94.2 v1(191.95,97.11) 196.86,92.2 197.84,92.2 v1(197.88,92.16) 199.78,90.26 v1(200.16,90.26) 202.21,92.31 210.49,92.31 213,89.81 213,70.87 216.4,67.47 216.4,67.04 223.15,60.28 ; v1(113.77,49.76) 114.75,50.74 114.75,51.28 116.72,53.25 154.53,53.25 155.05,52.74 156.58,52.74 157.1,53.25 204.05,53.25 205.3,52 213.35,52 213.64,51.71 214.14,51.71 214.43,52 226.15,52 226.65,52.5 ; v1(64.3,89.2) 66.8,89.2 67,89.4 70.63,89.4 70.93,89.7 71.34,89.7 71.38,89.66 71.88,89.66 71.92,89.7 73.35,89.7 v1(73.91,90.26) ; v1(99.16,90.26) 97.22,92.2 96.92,92.2 v1(96.88,92.16) ; v1(122.28,39.72) 119.81,39.72 118.2,38.11 113.75,38.11 ; 142.78,38.11 142.78,19.63 J29.TN 141.54,15.86 141.54,12.5 139.28,10.24 139.28,8.85 J28.2 ; 142.78,38.11 v1(140.28,40.61) ; 142.78,38.11 146.2,38.11 147.81,39.72 v1(151.3,39.72) ; 55.7,38.11 55.7,19.63 J20.TN 54.46,15.86 54.46,12.5 52.2,10.24 52.2,8.85 J19.2 ; 55.7,38.11 59.7,38.11 61.3,39.7 64.21,39.7 v1(64.22,39.72) ; 55.7,38.11 v1(53.2,40.61) ; 19.39,64.29 21.62,62.06 42.41,62.06 44.64,64.29 ; 113.75,38.11 113.75,19.63 J26.TN 112.52,15.86 112.52,12.5 110.25,10.24 110.25,8.85 J25.2 ; 113.75,38.11 v1(111.25,40.61) ; v1(96.88,92.16) 96.22,92.16 91.27,97.11 v1(90.95,97.11) 86.54,92.7 70.11,92.7 v1(65.7,97.11) 65.7,92.2 v1(64.3,90.8) 63.33,90.8 61.93,92.2 50.6,92.2 v1(48.66,90.26) 48.28,90.26 v1(46.38,92.16) ; v1(97.92,45.58) 97.92,43.01 97.41,42.51 94.51,42.51 93.3,41.3 v1(93.3,39.7) 90.3,39.7 88.7,38.11 84.72,38.11 ; 226.65,52.5 226.65,56.99 U2.39 225.66,60.28 223.15,60.28 ; 226.65,52.5 226.65,46.16 227.6,45.2 v1(227.6,40.61) 230.1,38.11 230.1,19.63 J38.TN 228.87,15.86 228.87,12.5 226.6,10.24 226.6,8.85 J37.2 ; 26.67,38.02 v1(24.17,40.52) ; 223.15,60.28 222.66,59.79 222.66,59.55 222.26,59.15 221.76,59.15 221.41,59.5 221.41,60 221.61,60.2 221.61,60.57 218.38,63.8 215.9,63.8 211.4,59.3 211.4,57.9 210.49,56.99 203.12,56.99 J68.2 193.65,61.9 173.1,61.9 170.82,64.18 ; 84.72,38.11 v1(82.22,40.61) ; 84.72,38.11 84.72,19.63 J23.TN 83.49,15.86 83.49,12.5 81.22,10.24 81.22,8.85 J22.2 ; v1(15.2,97.11) 15.2,89.8 15.8,89.2 22.35,89.2 v1(23.41,90.26) 24.74,90.26 25.28,90.8 28.35,90.8 28.55,90.6 29.05,90.6 29.25,90.8 29.92,90.8 30.12,91 30.48,91 30.85,91.37 v1(36.63,91.37)
  Bottom w0.2: v1(169.3,40.61) 168.5,40.61 165.7,43.4 158.4,43.4 155,40.01 151.59,40.01 ; 111.8,53 111.8,53.48 109.84,55.44 107.81,55.44 99.8,47.43 99.77,47.43 v1(97.92,45.58) ; 111.8,53 111.8,53.3 ; 111.8,53 111.8,50.76 112.8,49.76 v1(113.77,49.76) ; 35.49,40.01 38.9,40.01 42.3,43.4 49.6,43.4 52.4,40.61 v1(53.2,40.61) ; v1(227.6,40.61) 226.8,40.61 224,43.4 216.7,43.4 213.3,40.01 209.89,40.01 ; v1(64.3,89.2) v1(64.3,90.8) ; v1(24.17,40.52) 23.37,40.52 20.57,43.31 13.27,43.31 9.87,39.92 6.46,39.92 ; U14.4 40.45,95.19 v1(37.88,92.62) v1(36.63,91.37) ; 64.51,40.01 67.92,40.01 71.32,43.4 78.62,43.4 81.42,40.61 v1(82.22,40.61) ; v1(111.25,40.61) 110.45,40.61 107.65,43.4 100.35,43.4 96.95,40.01 93.54,40.01 ; 180.62,40.01 184.03,40.01 187.43,43.4 194.73,43.4 197.53,40.61 v1(198.33,40.61) ; 122.56,40.01 125.98,40.01 129.37,43.4 136.68,43.4 139.48,40.61 v1(140.28,40.61)
/Input 1/ANALOG_CHANNEL: length 118.5
  Top w0.2: v1(113.77,53.57) 112.71,52.5 110.03,52.5 109.24,53.3 108.3,53.3 108.25,53.25 93.78,53.25 93.73,53.2 93.65,53.2 90.55,50.1 90.05,50.1 89.95,50.2 79.65,50.2 79.55,50.1 79.05,50.1 78.95,50.2 62.65,50.2 62.55,50.1 62.05,50.1 61.95,50.2 51.65,50.2 51.55,50.1 51.05,50.1 50.95,50.2 40.65,50.2 40.55,50.1 40.05,50.1 39.95,50.2 30.8,50.2 21.8,41.2 21.8,27.58 17.92,23.7
  Bottom w0.2: v1(17.98,23.77) U3.2
/Input 2/ANALOG_CHANNEL: length 87.4
  Top w0.2: v1(47.01,23.86) 47.56,24.41 47.56,35.82 61.54,49.8 61.78,49.8 61.88,49.7 62.71,49.7 62.81,49.8 78.78,49.8 78.88,49.7 79.71,49.7 79.81,49.8 89.78,49.8 89.88,49.7 90.71,49.7 91.21,50.2 91.3,50.2 93.95,52.85 108.53,52.85 108.57,52.9 109.07,52.9 109.87,52.1 112.88,52.1 113.07,52.3 v1(113.77,52.3)
  Bottom w0.2: v1(47.01,23.86) U4.2
/Input 3/ANALOG_CHANNEL: length 63.4
  Top w0.2: v1(113.77,51.03) 113.7,51.1 112.4,51.1 112.2,51.3 109.25,51.3 108.86,51.7 108.57,51.7 108.22,52.05 108.22,52.25 108.02,52.45 94.11,52.45 91.46,49.8 91.38,49.8 90.88,49.3 89.72,49.3 89.61,49.4 81.5,49.4 77.8,45.7 77.8,25.62 v1(76.03,23.86)
  Bottom w0.2: v1(76.03,23.86) U5.2
/Input 4/ANALOG_CHANNEL: length 42.1
  Top w0.2: 106.8,25.7 105.06,23.97 v1(105.06,23.86) 105.3,24.09 105.3,24.2 106.8,25.7 ; 106.8,25.7 109.64,28.55 109.64,44.05 114.4,48.8 114.4,49.26 v1(115.22,50.09)
  Bottom w0.2: v1(105.06,23.86) U6.2 ; 113.43,54.84 112.2,53.61 112.2,50.92 112.76,50.36 114.79,50.36 115.06,50.09 v1(115.22,50.09)
